# KiCad board testhologram.kicad_pcb (continued)
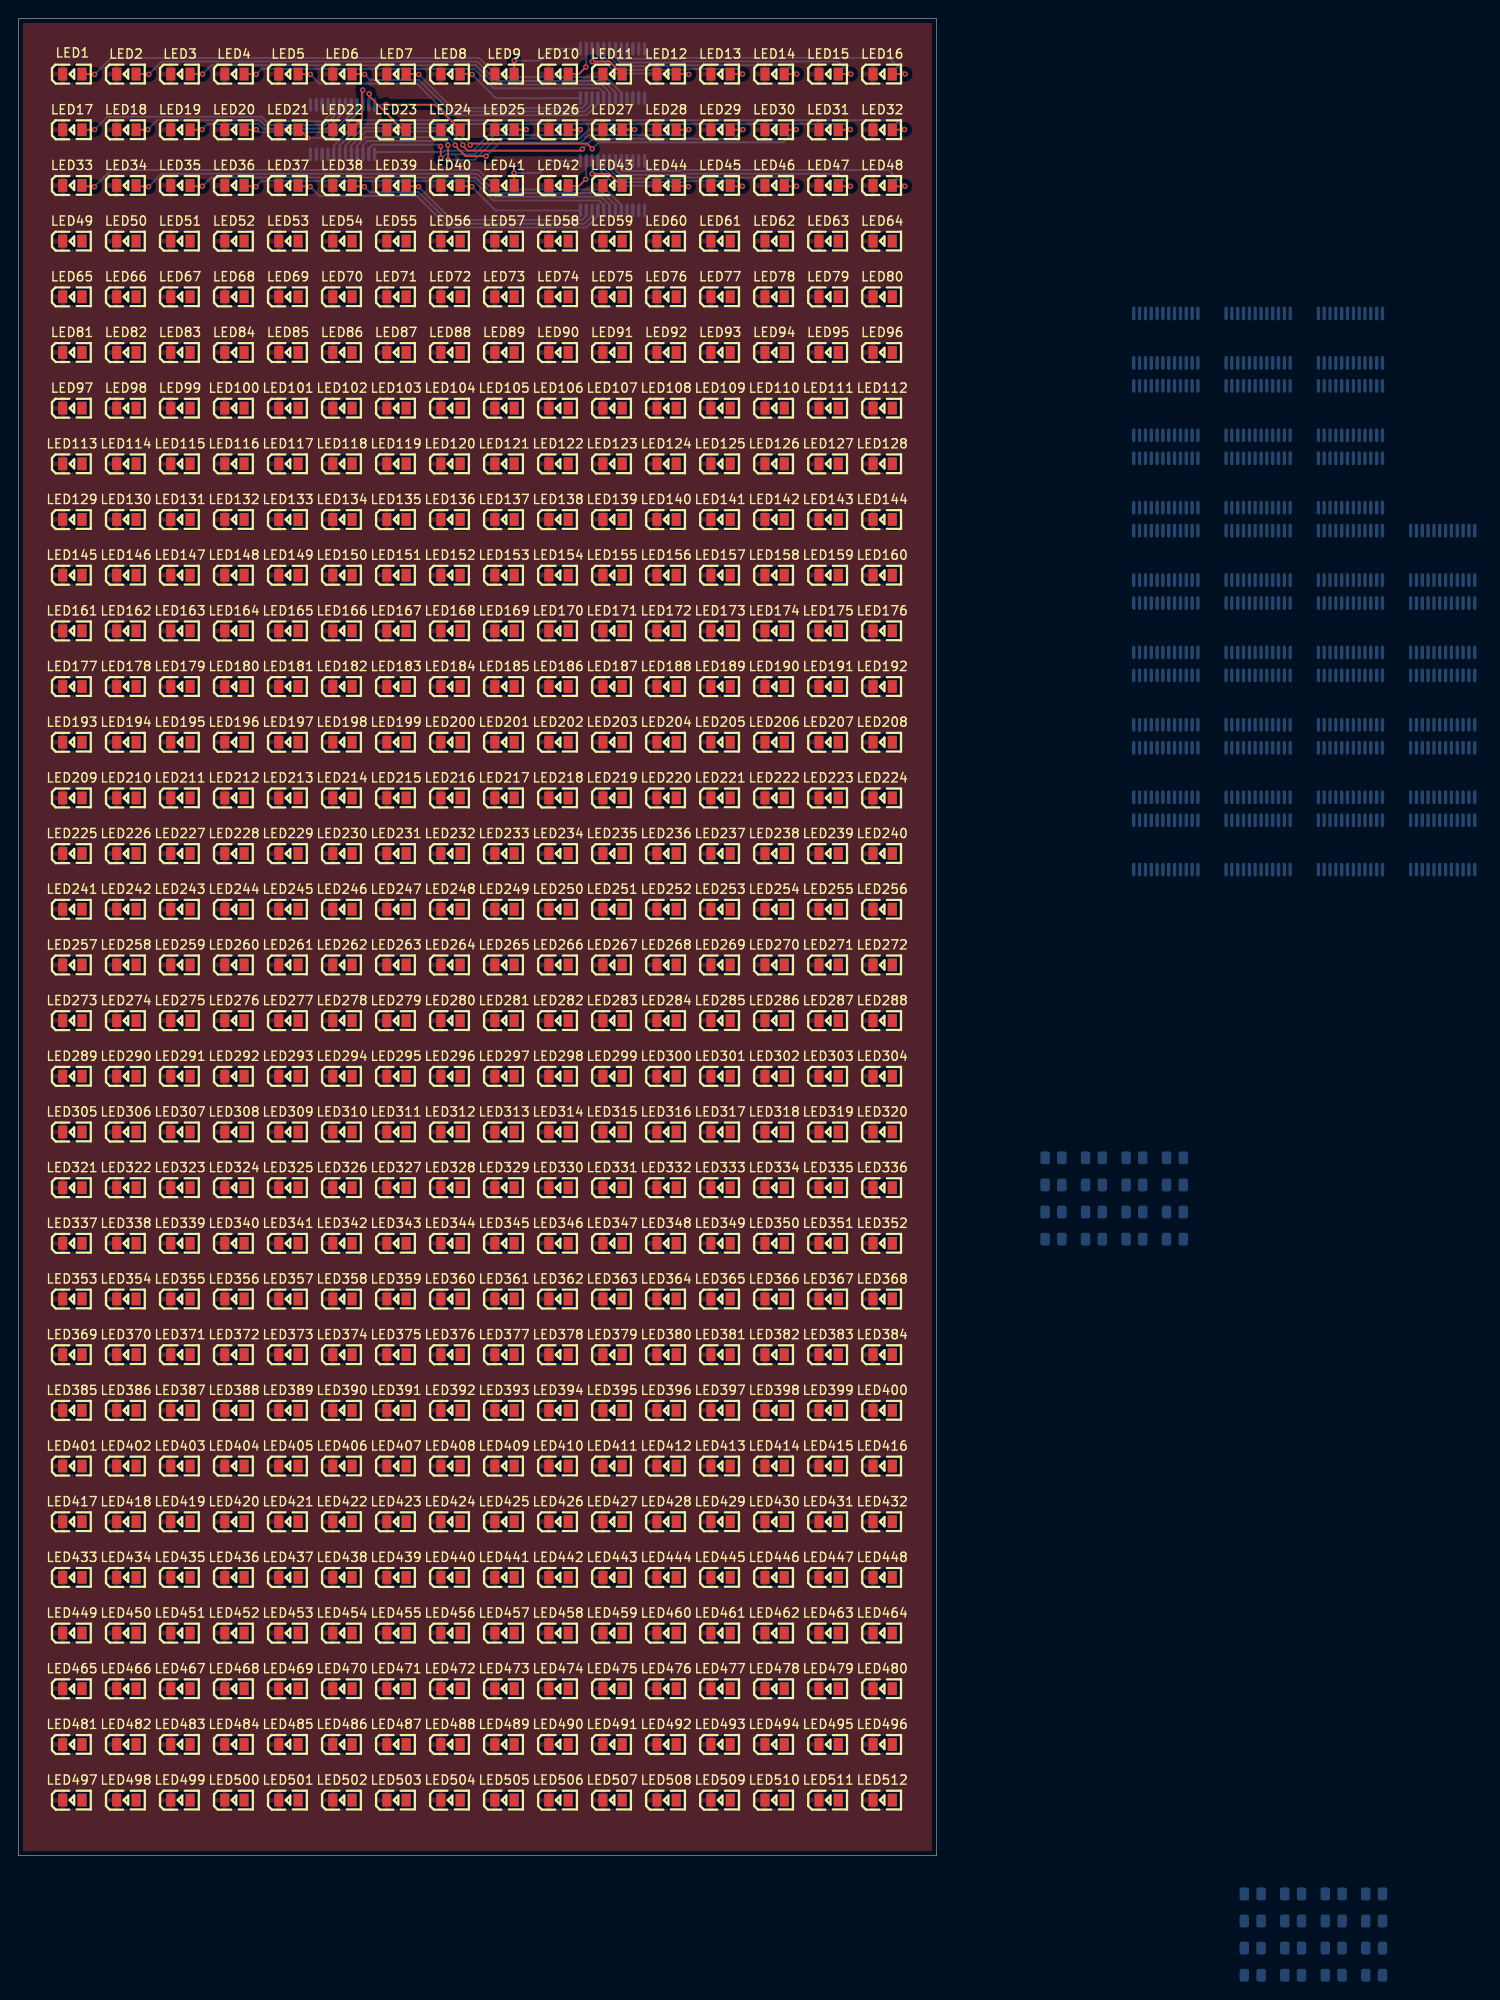
[diagram p0: board, top side]
## Nets (continued)
Net-(LED300-K): LED300.1 U19.16
Net-(LED301-K): LED301.1 U19.17
Net-(LED302-K): LED302.1 U19.18
Net-(LED303-K): LED303.1 U19.19
Net-(LED304-K): LED304.1 U19.20
Net-(LED305-K): LED305.1 U20.5
Net-(LED306-K): LED306.1 U20.6
Net-(LED307-K): LED307.1 U20.7
Net-(LED308-K): LED308.1 U20.8
Net-(LED309-K): LED309.1 U20.9
Net-(LED310-K): LED310.1 U20.10
Net-(LED311-K): LED311.1 U20.11
Net-(LED312-K): LED312.1 U20.12
Net-(LED313-K): LED313.1 U20.13
Net-(LED314-K): LED314.1 U20.14
Net-(LED315-K): LED315.1 U20.15
Net-(LED316-K): LED316.1 U20.16
Net-(LED317-K): LED317.1 U20.17
Net-(LED318-K): LED318.1 U20.18
Net-(LED319-K): LED319.1 U20.19
Net-(LED320-K): LED320.1 U20.20
Net-(LED321-K): LED321.1 U21.5
Net-(LED322-K): LED322.1 U21.6
Net-(LED323-K): LED323.1 U21.7
Net-(LED324-K): LED324.1 U21.8
Net-(LED325-K): LED325.1 U21.9
Net-(LED326-K): LED326.1 U21.10
Net-(LED327-K): LED327.1 U21.11
Net-(LED328-K): LED328.1 U21.12
Net-(LED329-K): LED329.1 U21.13
Net-(LED330-K): LED330.1 U21.14
Net-(LED331-K): LED331.1 U21.15
Net-(LED332-K): LED332.1 U21.16
Net-(LED333-K): LED333.1 U21.17
Net-(LED334-K): LED334.1 U21.18
Net-(LED335-K): LED335.1 U21.19
Net-(LED336-K): LED336.1 U21.20
Net-(LED337-K): LED337.1 U22.5
Net-(LED338-K): LED338.1 U22.6
Net-(LED339-K): LED339.1 U22.7
Net-(LED340-K): LED340.1 U22.8
Net-(LED341-K): LED341.1 U22.9
Net-(LED342-K): LED342.1 U22.10
Net-(LED343-K): LED343.1 U22.11
Net-(LED344-K): LED344.1 U22.12
Net-(LED345-K): LED345.1 U22.13
Net-(LED346-K): LED346.1 U22.14
Net-(LED347-K): LED347.1 U22.15
Net-(LED348-K): LED348.1 U22.16
Net-(LED349-K): LED349.1 U22.17
Net-(LED350-K): LED350.1 U22.18
Net-(LED351-K): LED351.1 U22.19
Net-(LED352-K): LED352.1 U22.20
Net-(LED353-K): LED353.1 U23.5
Net-(LED354-K): LED354.1 U23.6
Net-(LED355-K): LED355.1 U23.7
Net-(LED356-K): LED356.1 U23.8
Net-(LED357-K): LED357.1 U23.9
Net-(LED358-K): LED358.1 U23.10
Net-(LED359-K): LED359.1 U23.11
Net-(LED360-K): LED360.1 U23.12
Net-(LED361-K): LED361.1 U23.13
Net-(LED362-K): LED362.1 U23.14
Net-(LED363-K): LED363.1 U23.15
Net-(LED364-K): LED364.1 U23.16
Net-(LED365-K): LED365.1 U23.17
Net-(LED366-K): LED366.1 U23.18
Net-(LED367-K): LED367.1 U23.19
Net-(LED368-K): LED368.1 U23.20
Net-(LED369-K): LED369.1 U24.5
Net-(LED370-K): LED370.1 U24.6
Net-(LED371-K): LED371.1 U24.7
Net-(LED372-K): LED372.1 U24.8
Net-(LED373-K): LED373.1 U24.9
Net-(LED374-K): LED374.1 U24.10
Net-(LED375-K): LED375.1 U24.11
Net-(LED376-K): LED376.1 U24.12
Net-(LED377-K): LED377.1 U24.13
Net-(LED378-K): LED378.1 U24.14
Net-(LED379-K): LED379.1 U24.15
Net-(LED380-K): LED380.1 U24.16
Net-(LED381-K): LED381.1 U24.17
Net-(LED382-K): LED382.1 U24.18
Net-(LED383-K): LED383.1 U24.19
Net-(LED384-K): LED384.1 U24.20
Net-(LED385-K): LED385.1 U25.5
Net-(LED386-K): LED386.1 U25.6
Net-(LED387-K): LED387.1 U25.7
Net-(LED388-K): LED388.1 U25.8
Net-(LED389-K): LED389.1 U25.9
Net-(LED390-K): LED390.1 U25.10
Net-(LED391-K): LED391.1 U25.11
Net-(LED392-K): LED392.1 U25.12
Net-(LED393-K): LED393.1 U25.13
Net-(LED394-K): LED394.1 U25.14
Net-(LED395-K): LED395.1 U25.15
Net-(LED396-K): LED396.1 U25.16
Net-(LED397-K): LED397.1 U25.17
Net-(LED398-K): LED398.1 U25.18
Net-(LED399-K): LED399.1 U25.19
Net-(LED400-K): LED400.1 U25.20
Net-(LED401-K): LED401.1 U26.5
Net-(LED402-K): LED402.1 U26.6
Net-(LED403-K): LED403.1 U26.7
Net-(LED404-K): LED404.1 U26.8
Net-(LED405-K): LED405.1 U26.9
Net-(LED406-K): LED406.1 U26.10
Net-(LED407-K): LED407.1 U26.11
Net-(LED408-K): LED408.1 U26.12
Net-(LED409-K): LED409.1 U26.13
Net-(LED410-K): LED410.1 U26.14
Net-(LED411-K): LED411.1 U26.15
Net-(LED412-K): LED412.1 U26.16
Net-(LED413-K): LED413.1 U26.17
Net-(LED414-K): LED414.1 U26.18
Net-(LED415-K): LED415.1 U26.19
Net-(LED416-K): LED416.1 U26.20
Net-(LED417-K): LED417.1 U27.5
Net-(LED418-K): LED418.1 U27.6
Net-(LED419-K): LED419.1 U27.7
Net-(LED420-K): LED420.1 U27.8
Net-(LED421-K): LED421.1 U27.9
Net-(LED422-K): LED422.1 U27.10
Net-(LED423-K): LED423.1 U27.11
Net-(LED424-K): LED424.1 U27.12
Net-(LED425-K): LED425.1 U27.13
Net-(LED426-K): LED426.1 U27.14
Net-(LED427-K): LED427.1 U27.15
Net-(LED428-K): LED428.1 U27.16
Net-(LED429-K): LED429.1 U27.17
Net-(LED430-K): LED430.1 U27.18
Net-(LED431-K): LED431.1 U27.19
Net-(LED432-K): LED432.1 U27.20
Net-(LED433-K): LED433.1 U28.5
Net-(LED434-K): LED434.1 U28.6
Net-(LED435-K): LED435.1 U28.7
Net-(LED436-K): LED436.1 U28.8
Net-(LED437-K): LED437.1 U28.9
Net-(LED438-K): LED438.1 U28.10
Net-(LED439-K): LED439.1 U28.11
Net-(LED440-K): LED440.1 U28.12
Net-(LED441-K): LED441.1 U28.13
Net-(LED442-K): LED442.1 U28.14
Net-(LED443-K): LED443.1 U28.15
Net-(LED444-K): LED444.1 U28.16
Net-(LED445-K): LED445.1 U28.17
Net-(LED446-K): LED446.1 U28.18
Net-(LED447-K): LED447.1 U28.19
Net-(LED448-K): LED448.1 U28.20
Net-(LED449-K): LED449.1 U29.5
Net-(LED450-K): LED450.1 U29.6
Net-(LED451-K): LED451.1 U29.7
Net-(LED452-K): LED452.1 U29.8
Net-(LED453-K): LED453.1 U29.9
Net-(LED454-K): LED454.1 U29.10
Net-(LED455-K): LED455.1 U29.11
Net-(LED456-K): LED456.1 U29.12
Net-(LED457-K): LED457.1 U29.13
Net-(LED458-K): LED458.1 U29.14
Net-(LED459-K): LED459.1 U29.15
Net-(LED460-K): LED460.1 U29.16
Net-(LED461-K): LED461.1 U29.17
Net-(LED462-K): LED462.1 U29.18
Net-(LED463-K): LED463.1 U29.19
Net-(LED464-K): LED464.1 U29.20
Net-(LED465-K): LED465.1 U30.5
Net-(LED466-K): LED466.1 U30.6
Net-(LED467-K): LED467.1 U30.7
Net-(LED468-K): LED468.1 U30.8
Net-(LED469-K): LED469.1 U30.9
Net-(LED470-K): LED470.1 U30.10
Net-(LED471-K): LED471.1 U30.11
Net-(LED472-K): LED472.1 U30.12
Net-(LED473-K): LED473.1 U30.13
Net-(LED474-K): LED474.1 U30.14
Net-(LED475-K): LED475.1 U30.15
Net-(LED476-K): LED476.1 U30.16
Net-(LED477-K): LED477.1 U30.17
Net-(LED478-K): LED478.1 U30.18
Net-(LED479-K): LED479.1 U30.19
Net-(LED480-K): LED480.1 U30.20
Net-(LED481-K): LED481.1 U31.5
Net-(LED482-K): LED482.1 U31.6
Net-(LED483-K): LED483.1 U31.7
Net-(LED484-K): LED484.1 U31.8
Net-(LED485-K): LED485.1 U31.9
Net-(LED486-K): LED486.1 U31.10
Net-(LED487-K): LED487.1 U31.11
Net-(LED488-K): LED488.1 U31.12
Net-(LED489-K): LED489.1 U31.13
Net-(LED490-K): LED490.1 U31.14
Net-(LED491-K): LED491.1 U31.15
Net-(LED492-K): LED492.1 U31.16
Net-(LED493-K): LED493.1 U31.17
Net-(LED494-K): LED494.1 U31.18
Net-(LED495-K): LED495.1 U31.19
Net-(LED496-K): LED496.1 U31.20
Net-(LED497-K): LED497.1 U32.5
Net-(LED498-K): LED498.1 U32.6
Net-(LED499-K): LED499.1 U32.7
Net-(LED500-K): LED500.1 U32.8
Net-(LED501-K): LED501.1 U32.9
Net-(LED502-K): LED502.1 U32.10
Net-(LED503-K): LED503.1 U32.11
Net-(LED504-K): LED504.1 U32.12
Net-(LED505-K): LED505.1 U32.13
Net-(LED506-K): LED506.1 U32.14
Net-(LED507-K): LED507.1 U32.15
Net-(LED508-K): LED508.1 U32.16
Net-(LED509-K): LED509.1 U32.17
Net-(LED510-K): LED510.1 U32.18
Net-(LED511-K): LED511.1 U32.19
Net-(LED512-K): LED512.1 U32.20
Net-(U1-R-EXT): R1.2 U1.23
Net-(U2-R-EXT): R2.2 U2.23
Net-(U3-R-EXT): R3.2 U3.23
Net-(U4-R-EXT): R4.2 U4.23
Net-(U5-R-EXT): R5.2 U5.23
Net-(U6-R-EXT): R6.2 U6.23
Net-(U7-R-EXT): R7.2 U7.23
Net-(U8-R-EXT): R8.2 U8.23
Net-(U9-R-EXT): R9.2 U9.23
Net-(U10-R-EXT): R10.2 U10.23
Net-(U11-R-EXT): R11.2 U11.23
Net-(U12-R-EXT): R12.2 U12.23
Net-(U13-R-EXT): R13.2 U13.23
Net-(U14-R-EXT): R14.2 U14.23
Net-(U15-R-EXT): R15.2 U15.23
Net-(U16-R-EXT): R16.2 U16.23
Net-(U17-R-EXT): R17.2 U17.23
Net-(U18-R-EXT): R18.2 U18.23
Net-(U19-R-EXT): R19.2 U19.23
Net-(U20-R-EXT): R20.2 U20.23
Net-(U21-R-EXT): R21.2 U21.23
Net-(U22-R-EXT): R22.2 U22.23
Net-(U23-R-EXT): R23.2 U23.23
Net-(U24-R-EXT): R24.2 U24.23
Net-(U25-R-EXT): R25.2 U25.23
Net-(U26-R-EXT): R26.2 U26.23
Net-(U27-R-EXT): R27.2 U27.23
Net-(U28-R-EXT): R28.2 U28.23
Net-(U29-R-EXT): R29.2 U29.23
Net-(U30-R-EXT): R30.2 U30.23
Net-(U31-R-EXT): R31.2 U31.23
Net-(U32-R-EXT): R32.2 U32.23

## Via types
v1: diameter 0.6, hole 0.3, Top to Bottom, 58 vias

## Routing (per net, layer and track width the routed paths; a pad name or vN(x,y) marks a point on that pad's centre or on a via; arc(x,y) is an arc through that point)
Net-(LED1-K): length 61.7
  Top w0.2: LED1.1 8.26,193.94 v1(8.3,193.9)
  Bottom w0.2: v1(8.3,193.9) 10.1,195.7 50.15,195.7 52.25,193.6 63.98,193.6 65.65,191.93 U1.5
Net-(LED2-K): length 54.8
  Top w0.2: LED2.1 14.16,193.94 v1(14.2,193.9)
  Bottom w0.2: v1(14.2,193.9) 15.6,195.3 49.98,195.3 52.09,193.2 63.74,193.2 65.02,191.92 U1.6
Net-(LED3-K): length 47.9
  Top w0.2: v1(20.06,193.94) LED3.1
  Bottom w0.2: v1(20.06,193.94) 21.02,194.9 49.82,194.9 51.92,192.8 63.51,192.8 64.38,191.93 U1.7
Net-(LED4-K): length 41.1
  Top w0.2: LED4.1 25.86,193.94 v1(25.9,193.9)
  Bottom w0.2: v1(25.9,193.9) 26.5,194.5 49.65,194.5 51.75,192.4 63.27,192.4 63.75,191.92 U1.8
Net-(LED5-K): length 35.6
  Top w0.2: LED5.1 31.76,193.94 v1(31.8,193.9)
  Bottom w0.2: U1.9 63.11,190.69 61.88,189.46 46.84,189.46 43.4,192.9 32.8,192.9 v1(31.8,193.9)
Net-(LED6-K): length 28.8
  Top w0.2: v1(37.7,193.9) 37.66,193.94 LED6.1
  Bottom w0.2: v1(37.7,193.9) 38.3,193.3 43.63,193.3 47.07,189.86 61.64,189.86 62.48,190.7 U1.10
Net-(LED7-K): length 21.9
  Top w0.2: LED7.1 43.56,193.94 v1(43.6,193.9)
  Bottom w0.2: U1.11 61.84,190.69 61.41,190.26 47.24,190.26 v1(43.6,193.9)
Net-(LED8-K): length 14.2
  Top w0.2: LED8.1 49.36,193.94 v1(49.4,193.9)
  Bottom w0.2: U1.12 51.99,191.31 v1(49.4,193.9)
Net-(LED9-K): length 9.2
  Top w0.2: v1(54,195.4) 54,193.95 LED9.1
  Bottom w0.2: U1.13 58.09,196.69 56.8,195.4 v1(54,195.4)
Net-(LED10-K): length 4.2
  Top w0.2: LED10.1 61.04,193.94 v1(61.8,194.7)
  Bottom w0.2: U1.14 61.84,194.84 61.8,194.8 v1(61.8,194.7)
Net-(LED11-K): length 5.9
  Top w0.2: v1(62.5,195.3) 64.4,195.3 LED11.1
  Bottom w0.2: v1(62.5,195.3) 62.5,196.67 U1.15 62.48,196.02
Net-(LED12-K): length 12.8
  Top w0.2: LED12.1 72.96,193.94 v1(73,193.9)
  Bottom w0.2: v1(73,193.9) 72.9,194 65.09,194 63.11,195.97 U1.16
Net-(LED13-K): length 18.1
  Top w0.2: v1(78.86,193.94) LED13.1
  Bottom w0.2: v1(78.86,193.94) 78.3,194.5 72.75,194.5 72.65,194.4 65.25,194.4 63.75,195.9 U1.17
Net-(LED14-K): length 23.5
  Top w0.2: v1(84.76,193.94) LED14.1
  Bottom w0.2: U1.18 64.38,195.84 65.42,194.8 72.48,194.8 72.58,194.9 83.8,194.9 v1(84.76,193.94)
Net-(LED15-K): length 28.7
  Top w0.2: v1(90.64,193.94) LED15.1
  Bottom w0.2: U1.19 65.02,195.76 65.58,195.2 72.31,195.2 72.42,195.3 89.28,195.3 v1(90.64,193.94)
Net-(LED16-K): length 34.1
  Top w0.2: v1(96.56,193.94) LED16.1
  Bottom w0.2: U1.20 65.65,195.7 65.75,195.6 72.1,195.6 72.2,195.7 94.8,195.7 v1(96.56,193.94)
Net-(LED17-K): length 29.3
  Top w0.2: LED17.1 8.28,187.88 v1(8.3,187.9)
  Bottom w0.2: U2.5 34.35,189.95 33.2,188.8 26.98,188.8 26.48,189.3 9.7,189.3 v1(8.3,187.9)
Net-(LED18-K): length 24.1
  Top w0.2: LED18.1 14.08,187.88 v1(14.1,187.9)
  Bottom w0.2: v1(14.1,187.9) 15.1,188.9 25.48,188.9 25.48,188.9 26.32,188.9 26.82,188.4 33.41,188.4 34.98,189.97 U2.6
Net-(LED19-K): length 18.8
  Top w0.2: LED19.1 19.98,187.88 v1(20,187.9)
  Bottom w0.2: v1(20,187.9) 20.6,188.5 25.65,188.5 25.65,188.5 26.15,188.5 26.65,188 33.64,188 35.62,189.98 U2.7
Net-(LED20-K): length 13.6
  Top w0.2: v1(25.9,187.9) 25.88,187.88 LED20.1
  Bottom w0.2: v1(25.9,187.9) 26.2,187.6 34.21,187.6 36.25,189.64 U2.8
Net-(LED21-K): length 8.8
  Top w0.2: LED21.1 30.62,187.88 v1(31.5,187)
  Bottom w0.2: U2.9 36.89,189.64 34.25,187 v1(31.5,187)
Net-(LED22-K): length 6.4
  Top w0.2: v1(37.5,192.2) 37.4,192.1 37.4,188.93 LED22.1
  Bottom w0.2: U2.10 37.52,192.18 v1(37.5,192.2)
Net-(LED23-K): length 7
  Top w0.2: v1(38.2,191.8) 38.2,191.55 41.87,187.88 LED23.1
  Bottom w0.2: U2.11 38.2,190.63 v1(38.2,191.8)
Net-(LED24-K): length 10.5
  Top w0.2: LED24.1 45.39,190.6 v1(40,190.6)
  Bottom w0.2: U2.12 38.8,190.6 v1(40,190.6)
Net-(LED25-K): length 18.9
  Top w0.2: v1(55.3,187.9) 55.28,187.88 LED25.1
  Bottom w0.2: U2.13 39.04,185.46 46.23,185.46 46.36,185.6 46.53,185.6 46.53,185.6 47.03,185.6 47.03,185.6 49.5,185.6 51.8,187.9 v1(55.3,187.9)
Net-(LED26-K): length 28
  Top w0.2: v1(45.98,186.06) 46,186.04 v1(46,184.8) ; LED26.1 61.18,187.88 v1(61.2,187.9)
  Bottom w0.2: v1(45.98,186.06) 45.78,186.26 38.59,186.26 38.16,185.83 U2.14 ; v1(61.2,187.9) 61.2,187.6 60.9,187.3 51.8,187.3 49.7,185.2 49.67,185.2 49.67,185.2 47.19,185.2 47.19,185.2 46.53,185.2 46.13,184.8 v1(46,184.8)
Net-(LED27-K): length 35.4
  Top w0.2: LED27.1 67.08,187.88 v1(67.1,187.9) ; v1(46.78,186.2) 46.8,186.18 v1(46.8,184.6)
  Bottom w0.2: v1(67.1,187.9) 62.1,187.9 61.1,186.9 51.97,186.9 49.66,184.6 v1(46.8,184.6) ; U2.15 37.52,186.16 38.02,186.66 46.54,186.66 46.78,186.42 v1(46.78,186.2)
Net-(LED28-K): length 41
  Top w0.2: v1(73,187.9) 72.98,187.88 LED28.1 ; v1(50.93,185) 50.93,185 48.7,185 48.4,185.3 48.4,185.3 47.58,186.12 v1(47.58,186.2)
  Bottom w0.2: U2.16 36.89,186.16 37.79,187.06 46.84,187.06 47.58,186.32 v1(47.58,186.2) ; v1(73,187.9) 72.4,187.3 62.1,187.3 61.3,186.5 52.43,186.5 v1(50.93,185)
Net-(LED29-K): length 47.6
  Top w0.2: v1(61.42,185.78) 61.25,185.6 48.95,185.6 48.4,186.15 v1(48.4,186.22) ; v1(78.9,187.9) 78.88,187.88 LED29.1
  Bottom w0.2: v1(78.9,187.9) 77.9,186.9 62.55,186.9 v1(61.42,185.78) ; U2.17 36.25,186.16 37.79,187.7 47.1,187.7 48.42,186.38 48.42,186.25 v1(48.4,186.22)
Net-(LED30-K): length 54.2
  Top w0.2: v1(49.2,186.2) 49.38,186.38 61.92,186.38 v1(62.5,185.8) ; LED30.1 84.68,187.88 v1(84.7,187.9)
  Bottom w0.2: v1(84.7,187.9) 83.3,186.5 63.2,186.5 v1(62.5,185.8) ; v1(49.2,186.2) 49.2,186.3 47.4,188.1 37.56,188.1 35.62,186.16 U2.18
Net-(LED31-K): length 59.1
  Top w0.2: v1(90.6,187.9) 90.58,187.88 LED31.1
  Bottom w0.2: U2.19 34.98,186.16 37.32,188.5 90,188.5 v1(90.6,187.9)
Net-(LED32-K): length 66
  Top w0.2: LED32.1 96.48,187.88 v1(96.5,187.9)
  Bottom w0.2: v1(96.5,187.9) 95.5,188.9 37.09,188.9 34.35,186.16 U2.20
Net-(LED33-K): length 61.7
  Top w0.2: v1(8.28,181.68) 8.24,181.72 6.91,181.72
  Bottom w0.2: v1(8.28,181.68) 10.08,183.48 50.13,183.48 52.23,181.38 63.96,181.38 65.63,179.71 65.63,179.09
Net-(LED34-K): length 54.8
  Top w0.2: 12.8,181.72 14.14,181.72 v1(14.18,181.68)
  Bottom w0.2: 65,179.09 65,179.7 63.72,180.98 52.07,180.98 49.96,183.08 15.58,183.08 v1(14.18,181.68)
Net-(LED35-K): length 47.9
  Top w0.2: v1(20.04,181.72) 18.68,181.72
  Bottom w0.2: v1(20.04,181.72) 21,182.68 49.8,182.68 51.9,180.58 63.49,180.58 64.36,179.71 64.36,179.09
Net-(LED36-K): length 41.1
  Top w0.2: v1(25.88,181.68) 25.84,181.72 24.56,181.72
  Bottom w0.2: 63.73,179.09 63.73,179.7 63.25,180.18 51.73,180.18 49.63,182.28 26.48,182.28 v1(25.88,181.68)
Net-(LED37-K): length 35.6
  Top w0.2: v1(31.78,181.68) 31.74,181.72 30.44,181.72
  Bottom w0.2: 63.09,179.09 63.09,178.47 61.86,177.24 46.82,177.24 43.38,180.68 32.78,180.68 v1(31.78,181.68)
Net-(LED38-K): length 28.8
  Top w0.2: 36.32,181.72 37.64,181.72 v1(37.68,181.68)
  Bottom w0.2: v1(37.68,181.68) 38.28,181.08 43.61,181.08 47.06,177.64 61.62,177.64 62.46,178.48 62.46,179.09
Net-(LED39-K): length 21.9
  Top w0.2: 42.21,181.72 43.54,181.72 v1(43.58,181.68)
  Bottom w0.2: 61.82,179.09 61.82,178.47 61.39,178.04 47.22,178.04 v1(43.58,181.68)
Net-(LED40-K): length 14.2
  Top w0.2: 48.09,181.72 49.34,181.72 v1(49.38,181.68)
  Bottom w0.2: 61.19,179.09 51.97,179.09 v1(49.38,181.68)
Net-(LED41-K): length 9.2
  Top w0.2: v1(53.98,183.18) 53.98,181.73 53.97,181.72
  Bottom w0.2: 61.19,184.47 58.07,184.47 56.78,183.18 v1(53.98,183.18)
Net-(LED42-K): length 4.2
  Top w0.2: v1(61.78,182.48) 61.02,181.72 59.85,181.72
  Bottom w0.2: v1(61.78,182.48) 61.78,182.58 61.82,182.62 61.82,184.47
Net-(LED43-K): length 5.9
  Top w0.2: 65.74,181.72 64.38,183.08 v1(62.48,183.08)
  Bottom w0.2: v1(62.48,183.08) 62.48,184.45 62.46,184.47 62.46,183.8
Net-(LED44-K): length 12.8
  Top w0.2: 71.62,181.72 72.94,181.72 v1(72.98,181.68)
  Bottom w0.2: v1(72.98,181.68) 72.88,181.78 65.07,181.78 63.09,183.75 63.09,184.47
Net-(LED45-K): length 18.1
  Top w0.2: v1(78.84,181.72) 77.5,181.72
  Bottom w0.2: v1(78.84,181.72) 78.28,182.28 72.73,182.28 72.63,182.18 65.23,182.18 63.73,183.68 63.73,184.47
Net-(LED46-K): length 23.5
  Top w0.2: v1(84.74,181.72) 83.38,181.72
  Bottom w0.2: v1(84.74,181.72) 83.78,182.68 72.57,182.68 72.46,182.58 65.4,182.58 64.36,183.62 64.36,184.47
Net-(LED47-K): length 28.7
  Top w0.2: v1(90.62,181.72) 89.27,181.72
  Bottom w0.2: 65,184.47 65,183.54 65.56,182.98 72.3,182.98 72.4,183.08 89.26,183.08 v1(90.62,181.72)
Net-(LED48-K): length 34.1
  Top w0.2: v1(96.54,181.72) 95.15,181.72
  Bottom w0.2: 65.63,184.47 65.63,183.48 65.73,183.38 72.08,183.38 72.18,183.48 94.78,183.48 v1(96.54,181.72)

## Copper pours and planes (outline as drawn; the poured copper is in the pictures)
GND on Bottom: 0,200 100,200 100,0 0,0
VCC on Top: 0,200 100,200 100,0 0,0
